# Altium PCB Carte_Mere - Copie.PcbDoc (part 1 of 4) (continued)
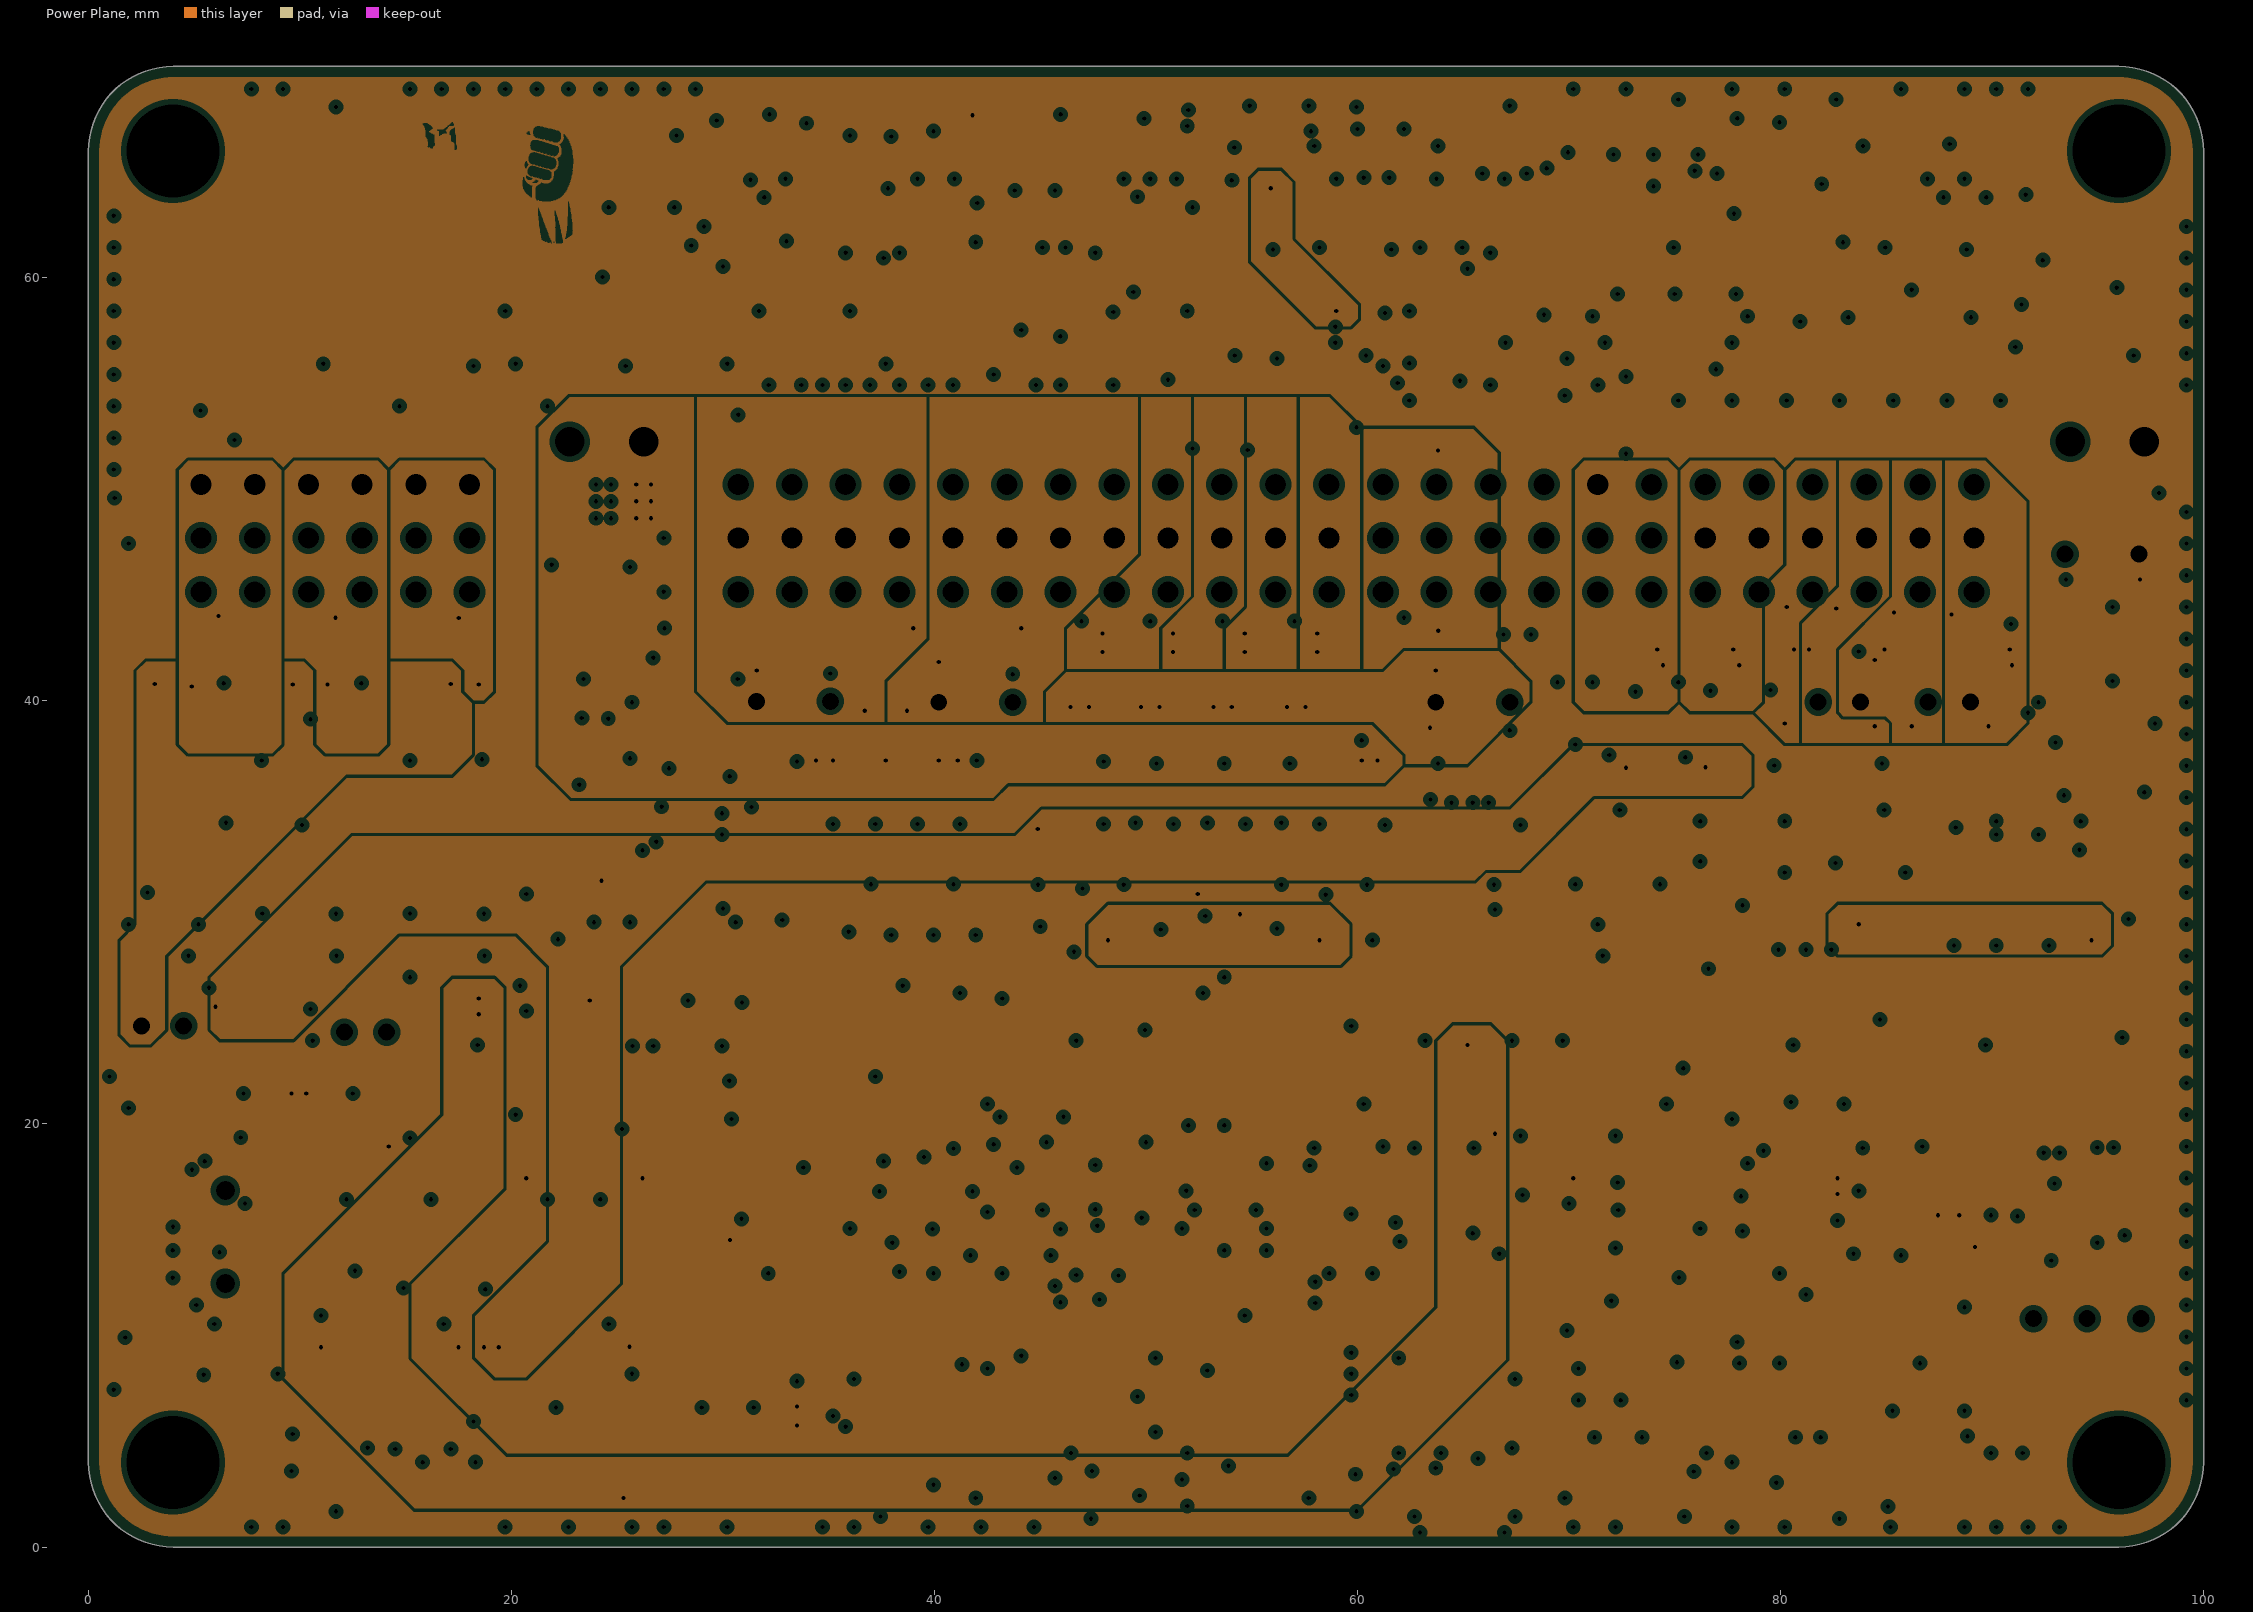
[diagram p3: Power Plane, clearances drawn from the general rule]

## Layer stack, top to bottom
Top Mask: solder mask 0.015, Solder Resist, Dk 3.8
Top Copper: signal copper 0.035
Dielectric 1: prepreg 0.2, 7628, Dk 4.6
Ground Plane: plane copper 0.0175, net GND
Core: core 1.065, FR-4, Dk 4.5
Power Plane: plane copper 0.0175, net (Multiple Nets)
Dielectric 2: prepreg 0.2, 7628, Dk 4.6
Bottom Copper: signal copper 0.035
Bottom Mask: solder mask 0.015, Solder Resist, Dk 3.8

## Board outline
4,0 cw(c4,4) 0,4 0,66 cw(c4,66) 4,70 96,70 cw(c96,66) 100,66 100,4 cw(c96,4) 96,0

## Design rules (kind name [scope] priority, off if disabled: settings)
AssemblyTestPointUsage [All] p1 off:
AssemblyTestpoint [All] p1 off: testpointundercomponent=TRUE minsize=1.016 maxsize=2.54 preferedsize=1.524 minholesize=0 maxholesize=1.016 preferedholesize=0.813 testpointgrid=0.025 usegrid=TRUE gridtolerance=0 allowsidetop=TRUE allowsidebottom=TRUE
BoardOutlineClearance [All] p1: gap=0.2 ignorepadtopadclearanceinfootprint=FALSE
Clearance Clearance_Outer_layer [OnOutside] p1: gap=0.127 ignorepadtopadclearanceinfootprint=FALSE except(0.09: Arc-Arc Arc-Track Track-Track; 0.2: Arc-SMDPad Track-SMDPad; 0.254: Arc-Hole Track-Hole SMDPad-Hole THPad-Hole Via-Hole Fill-Hole Poly-Hole Region-Hole Text-Hole; 0.33: Arc-THPad Track-THPad SMDPad-THPad; 0.54: THPad-THPad)
Clearance Clearance_Inner_layer [not OnOutside] p2: gap=0.127 ignorepadtopadclearanceinfootprint=FALSE except(0.2: Arc-SMDPad Track-SMDPad; 0.254: Arc-Hole Track-Hole SMDPad-Hole THPad-Hole Via-Hole Fill-Hole Poly-Hole Region-Hole Text-Hole; 0.33: Arc-THPad Track-THPad SMDPad-THPad; 0.54: THPad-THPad)
ComponentClearance [IsComponent and (not (InComponent('J202') or InComponent('J204'))) vs IsComponent and (not (InComponent('J201') or InComponent('J203')))] p1: gap=0.2 collisioncheckmode=3 verticalgap=2540 showdistances=FALSE
DiffPairsRouting [All] p1 off: maxlimit=0.254 minlimit=0.254 mostfreqgap=0.254 toplayer_minwidth=0.381 toplayer_maxwidth=0.381 toplayer_prefwidth=0.381 bottomlayer_minwidth=0.381 bottomlayer_maxwidth=0.381 bottomlayer_prefwidth=0.381 maxuncoupledlength=12.7
FabricationTestPointUsage TestPointUsage [All] p1 off: valid=0 allowmultiple=FALSE
FabricationTestpoint Testpoint [All] p1 off: side=3 testpointundercomponent=TRUE minsize=1.016 maxsize=2.54 preferedsize=1.524 minholesize=0 maxholesize=1.016 preferedholesize=0.813 testpointgrid=0.025 allowsidetop=TRUE allowsidebottom=TRUE usegrid=TRUE gridtolerance=0
FanoutControl Fanout_BGA [IsBGA] p1 off: bgadir=Out bgaviamode=Centered fanoutstyle=Auto fanoutdirection=Alternating viagrid=0.025 // Fanout_BGA (Default Rule)
FanoutControl Fanout_LCC [IsLCC] p2 off: bgadir=Out bgaviamode=Centered fanoutstyle=Auto fanoutdirection=Alternating viagrid=0.025 // Fanout_LCC (Default Rule)
FanoutControl Fanout_SOIC [IsSOIC] p3 off: bgadir=Out bgaviamode=Centered fanoutstyle=Auto fanoutdirection=Alternating viagrid=0.025 // Fanout_SOIC (Default Rule)
FanoutControl Fanout_Small [(CompPinCount < 5)] p4 off: bgadir=Out bgaviamode=Centered fanoutstyle=Auto fanoutdirection=OutThenIn viagrid=0.025 // Fanout_Small (Default Rule)
FanoutControl Fanout_Default [All] p5 off: bgadir=Out bgaviamode=Centered fanoutstyle=Auto fanoutdirection=Alternating viagrid=0.025 // Fanout_Default (Default Rule)
HoleSize [All] p1: absolutevalues=TRUE maxlimit=6.3 minlimit=0.2 maxpercent=80.000 minpercent=20.000
HoleToHoleClearance ViaToViaClearance [IsVia vs IsVia] p1: gap=0.254 allowstackedmicrovias=TRUE
HoleToHoleClearance [All] p2: gap=0.54 allowstackedmicrovias=TRUE
MinimumAnnularRing [All] p1: minimumring=0.13
MinimumSolderMaskSliver [All] p1: minsoldermaskwidth=0.075
NetAntennae NetAntenna [All] p1: netantennaetolerance=0
PlaneClearance [All] p1: clearance=0.254
PlaneConnect [All] p1: planeconnectstyle=Direct reliefexpansion=0.3 reliefentries=4 reliefconductorwidth=0.3 reliefairgap=0.2
PolygonConnect [All] p1: thpad.connectstyle=Relief thpad.reliefconductorwidth=0.2 thpad.reliefentries=4 thpad.polygonreliefangle="90 Angle" thpad.airgapwidth=0.254 smdpad.connectstyle=Relief smdpad.reliefconductorwidth=0.2 smdpad.reliefentries=4 smdpad.polygonreliefangle="90 Angle" smdpad.airgapwidth=0.254 via.connectstyle=Direct via.reliefconductorwidth=0.2 via.reliefentries=4 via.polygonreliefangle="90 Angle" via.airgapwidth=0.254
RoutingVias [All] p1: holewidth=0.2 width=0.5 viastyle="Through Hole" minholewidth=0.2 minwidth=0.45 maxholewidth=0.3 maxwidth=0.9
SMDEntry [All] p1: side=TRUE corner=TRUE anyangle=TRUE
SilkToSilkClearance [All] p1 off: silktosilkclearance=0.15
SilkToSolderMaskClearance [IsPad] p1: minsilkscreentomaskgap=0.15 clearancetoexposedcopper=TRUE
SolderMaskExpansion [All] p1: expansion=0.05 istentingtop=FALSE
Width Width_Outer_Layer [OnLayer('Component Side') or OnLayer('Solder Side')] p1: maxlimit=3 minlimit=0.09 preferedwidth=0.15
Width Width_Inner_Layer [All] p2: maxlimit=3 minlimit=0.127 preferedwidth=0.15
11 further rules are at their usual default settings.

## Classes and differential pairs
net class NET_ANALOG: ADC_IN_1 ADC_IN_2 ANALOG_IN0 ANALOG_IN1 ANALOG_IN2 ANALOG_IN3 ANALOG_IN4 ANALOG_IN5 ANALOG_IN6 ANALOG_IN7 MOT1_CS MOT2_CS Servo_Curr_1 Servo_Curr_2 Servo_Curr_3 Servo_Curr_4
net class NET_POWER: 3L 3L_ADC 3L_CAP 3L_FT232 3L_MOT 5L 5L_CAP 5L_DE0 5L_DYNA 5L_ENC_PROP 5L_EXT_1 5L_EXT_2 5L_EXT_3 5L_EXT_4 5L_QEI_MOT 5L_QEI_PROP 5P 5P_SERVO_B 5P_SERVO_C +3V3 +5V CAP_#A CAP_#B CAP_#C E5V GND PWR_Servo_1 PWR_Servo_2 PWR_Servo_3 PWR_Servo_4 U5V VBAT VCC_EXT_1 VCC_EXT_2 VDD VIN VUSB
net class USB: 3L 3L_FT232 3V3_FT232 FT232_Rx FT232_Tx GND GPIO_032_D12 GPIO_033_B12 NetD203_1 NetD203_2 NetD204_1 NetD204_2 NetJ207_4 NetU200_2 NetU200_3 NetU200_6 NetU200_9 NetU200_10 NetU200_11 NetU200_12 NetU200_13 NetU200_14 NetU200_19 NetU200_27 NetU200_28 PC10 PC11 USB_N USB_P VUSB
net class CAPT_TOF: 5L GND GPIO_011_A6 GPIO_013_D6 GPIO_21_B16 GPIO_22_C14 GPIO_23_C16 GPIO_24_C15 I2C1_SCL I2C1_SDA PA15 PB7 ToF_DS_1 ToF_DS_2 ToF_DS_3 ToF_DS_4
net class SERVO: 5P 5P_SERVO_B 5P_SERVO_C GND GPIO_022_F9 GPIO_023_E9 GPIO_024_C9 GPIO_025_D9 GPIO_028_C11 GPIO_029_B11 GPIO_030_A12 GPIO_031_D11 Servo_5 Servo_6 Servo_7 Servo_8 Servo_9 Servo_10 Servo_11 Servo_12
net class SERVO_SENSE: 5P 5P_SERVO_A GND GPIO_018_E7 GPIO_019_D8 GPIO_020_E8 GPIO_021_F8 PWR_Servo_1 PWR_Servo_2 PWR_Servo_3 PWR_Servo_4 Servo_1 Servo_2 Servo_3 Servo_4
net class SERVO_CURR: 5P_SERVO_A ANALOG_IN3 ANALOG_IN5 ANALOG_IN6 ANALOG_IN7 GND PWR_Servo_1 PWR_Servo_2 PWR_Servo_3 PWR_Servo_4 Servo_Curr_1 Servo_Curr_2 Servo_Curr_3 Servo_Curr_4
net class NUCLEO: +3V3 +5V AVDD BOOT0 E5V GND NetJ221_9 NetJ221_25 NetJ221_33 NetJ221_39 NetJ221_40 NetJ222_39 NetJ222_40 NRST PA0 PA1 PA2 PA3 PA4 PA8 PA9 PA10 PA11 PA12 PA13 PA14 PA15 PB0 PB1 PB1_SPARE PB2 PB3 PB4 PB5 PB6 PB7 PB8 PB9 PB10 PB11 PB12 PB13 PB14 PB15 PC0 PC1 PC2 PC3 PC4 PC5 PC6 PC7 PC8 PC9 PC10 PC11 PC12 PC13 PC14 PC15 PD2 PD8 PF0 PF1 PF4 PF5 PF6 PF7 SPI1_MISO SPI1_MOSI SPI1_SCK U5V VBAT VDD VIN
net class MOT_PROP: GND GPIO_118_R16 GPIO_120_P15 GPIO_121_P16 GPIO_122_R14 GPIO_123_N16 PA11 PB6 PB10 PB11 PC7 PROP_DIR1 PROP_DIR2 PROP_EN PROP_S1-Rx PROP_S2-Tx
net class MOT_ACT: 3L_MOT ANALOG_IN0 ANALOG_IN1 GND GPIO_18_T10 GPIO_19_R11 GPIO_110_P11 GPIO_111_R10 MOT1_CS MOT1_DIR MOT1_PWM MOT2_CS MOT2_DIR MOT2_PWM
net class GYRO: 5L GND GPIO_124_N15 GPIO_125_P14 GPIO_126_L14 GPIO_127_N14 PB12 PB13 PB14 PB15 SPI2_CS_1 SPI2_MISO SPI2_MOSI SPI2_SCK
net class GPIO+ADC: 3L_ADC 5L ADC_IN_1 ADC_IN_2 ANALOG_IN2 ANALOG_IN4 EXT_IO_1 EXT_IO_2 EXT_IO_3 EXT_IO_4 EXT_IO_5 EXT_IO_6 EXT_IO_7 EXT_IO_8 EXT_IO_9 EXT_IO_10 GND GPIO_00_D3 GPIO_01_C3 GPIO_02_A2 GPIO_03_A3 GPIO_04_B3 GPIO_05_B4 GPIO_06_A4 GPIO_07_B5 GPIO_08_A5 GPIO_09_D5 PA4 PB0 PC0 PC1 PC2 PF1 VCC_EXT_1 VCC_EXT_2
net class EXT_BUS: 5L FPGA_Rx FPGA_Tx GND GPIO_010_B6 GPIO_012_B7 GPIO_014_A7 GPIO_015_C6 GPIO_016_C8 GPIO_017_E6 GPIO_026_E11 GPIO_027_E10 I2C2_SCL I2C2_SDA PC12 PD2 SPI3_CS_1 SPI3_MISO SPI3_MOSI SPI3_SCK STM_Rx STM_Tx
net class ENC_SSI: 5L 5L_QEI_PROP ENC_M1_CLK1 ENC_M1_CLK2 ENC_M1_DAT1 ENC_M1_DAT2 ENC_M2_CLK1 ENC_M2_CLK2 ENC_M2_DAT1 ENC_M2_DAT2 GND GPIO_0_IN0_A8 GPIO_0_IN1_B8 GPIO_25_D16 GPIO_26_D15 GPIO_27_D14 GPIO_28_F15 GPIO_132_J13 GPIO_133_J14 SSI_M1_CLK1 SSI_M1_CLK2 SSI_M1_DAT1 SSI_M1_DAT2 SSI_M2_CLK1 SSI_M2_CLK2 SSI_M2_DAT1 SSI_M2_DAT2
net class ENC_ODO: 5L 5L_ENC_PROP ENC_P1_A ENC_P1_B ENC_P2_A ENC_P2_B GND GPIO_128_M10 GPIO_129_L13 GPIO_130_J16 GPIO_131_K15 PA8 PA9 PB4 PB5 QEI_P1_A QEI_P1_B QEI_P2_A QEI_P2_B
net class ENC_ACT: 5L 5L_QEI_MOT ENC_M1_A ENC_M1_B ENC_M2_A ENC_M2_B GND GPIO_112_N12 GPIO_113_P9 GPIO_114_N9 GPIO_115_N11 QEI_M1_A QEI_M1_B QEI_M2_A QEI_M2_B
net class DYNAMIXEL: 5L_DYNA DATA_DYNA DYNA_DIR DYNA_RX DYNA_TX GND nDATA_DYNA NetJ240_2 PA10 PC3 PC4
net class DE0: ANALOG_IN0 ANALOG_IN1 ANALOG_IN2 ANALOG_IN3 ANALOG_IN4 ANALOG_IN5 ANALOG_IN6 ANALOG_IN7 GND GPIO_00_D3 GPIO_0_IN0_A8 GPIO_0_IN1_B8 GPIO_01_C3 GPIO_1_IN0_T9 GPIO_1_IN1_R9 GPIO_02_A2 GPIO_2_IN0_E15 GPIO_2_IN1_E16 GPIO_2_IN2_M16 GPIO_03_A3 GPIO_04_B3 GPIO_05_B4 GPIO_06_A4 GPIO_07_B5 GPIO_08_A5 GPIO_09_D5 GPIO_010_B6 GPIO_10_F13 GPIO_011_A6 GPIO_11_T15 GPIO_012_B7 GPIO_12_T14 GPIO_013_D6 GPIO_13_T13 GPIO_014_A7 GPIO_14_R13 GPIO_015_C6 GPIO_15_T12 GPIO_016_C8 GPIO_16_R12 GPIO_017_E6 GPIO_018_E7 GPIO_18_T10 GPIO_019_D8 GPIO_19_R11 GPIO_20_A14 GPIO_020_E8 GPIO_21_B16 GPIO_021_F8 GPIO_22_C14 GPIO_022_F9 GPIO_23_C16 GPIO_023_E9 GPIO_024_C9 GPIO_24_C15 GPIO_025_D9 GPIO_25_D16 GPIO_26_D15 GPIO_026_E11 GPIO_27_D14 GPIO_027_E10 GPIO_028_C11 GPIO_28_F15 GPIO_029_B11 GPIO_29_F16 GPIO_030_A12 GPIO_031_D11 GPIO_032_D12 GPIO_033_B12 GPIO_110_P11 GPIO_111_R10 GPIO_112_N12 GPIO_113_P9 GPIO_114_N9 GPIO_115_N11 GPIO_116_L16 GPIO_117_K16 GPIO_118_R16 GPIO_119_L15 GPIO_120_P15 GPIO_121_P16 GPIO_122_R14 GPIO_123_N16 GPIO_124_N15 GPIO_125_P14 GPIO_126_L14 GPIO_127_N14 GPIO_128_M10 GPIO_129_L13 GPIO_130_J16 GPIO_131_K15 GPIO_132_J13 GPIO_133_J14 GPIO_210_F14 GPIO_211_G16 GPIO_212_G15 IRQ_FPGA VCC_3V3_1 VCC_3V3_2 VCC_3V3_3 VCC_5V_1 VCC_5V_2
net class CLAVIER: AU_STATUS GND GPIO_1_IN0_T9 GPIO_1_IN1_R9 GPIO_10_F13 GPIO_11_T15 LED_CLAVIER NRST NRST_NUCLEO PA12 PC5 PC6 PC8 PC9 SW_1 SW_2 SW_3 SW_TIRETTE
net class CAPT_INT: 3L_CAP CAP_#A CAP_#B CAP_#C CaptTOR_7 CaptTOR_8 CaptTOR_9 CaptTOR_10 CaptTOR_11 CaptTOR_12 GND GPIO_12_T14 GPIO_13_T13 GPIO_14_R13 GPIO_15_T12 GPIO_16_R12 GPIO_211_G16 NetC278_1 NetC281_1 NetC282_1 NetC284_1 NetC287_1 NetC288_1 SigCAPT_7 SigCAPT_8 SigCAPT_9 SigCAPT_10 SigCAPT_11 SigCAPT_12
net class CAPT_EXT: 3L 3L_CAP CaptTOR_1 CaptTOR_2 CaptTOR_3 CaptTOR_4 CaptTOR_5 CaptTOR_6 GND GPIO_2_IN0_E15 GPIO_2_IN1_E16 GPIO_2_IN2_M16 GPIO_20_A14 GPIO_210_F14 GPIO_212_G15 PA0 PA1
net class CAN: 5L CAN_Rx CAN_Tx CANH CANL GND NetC213_1 NetU201_5 PB8 PB9
net class ALIM_OUT: 5L 5L_EXT_1 5L_EXT_2 5L_EXT_3 5L_EXT_4 EXT_IO_1 EXT_IO_2 EXT_IO_3 EXT_IO_4 EXT_IO_5 EXT_IO_6 EXT_IO_7 EXT_IO_8 EXT_IO_9 EXT_IO_10 GND
net class ALIM_IN: 5L 5P GND
net class 3L: 3L 5L GND NetC228_1 NetC229_1
net class 3L_ADC: 3L_ADC 5L GND NetC225_1 NetC226_1
component class TOP: H200 H201 H202 H203
component class SERVO: C251 C252 C253 C254 C255 C256 C257 C258 C259 C260 C261 C262 C263 C264 C265 C266 C267 C268 C269 C270 C271 C272 C273 C274 D205 J238 J239 J240 R250 R252 R253 R254 R255 R256 R257 R258 R259 R260 R261 R262 R263 R264 R265 U204 U205 U206 U207 U208
component class POWER: C224 C225 C226 C227 C228 C229 C230 C231 C232 C233 C234 C235 C236 C237 C238 C239 C240 C241 C242 C243 C244 C245 C246 C247 C248 C249 C250 FB204 FB205 FB206 FB207 FB208 FB209 J225 J226 J227 J228 J229 J230 J231 J232 J233 J234 J235 J236 J237 R248 R249 U202 U203
component class NUCLEO: J219 J220 J221 J222 J223 R292 R293 R294 R295 R296 R301 R302 R303 R304 R305 R306 R318 R319 R320 R321 R322 R335 R336 R337 R338 R339 R340 R341 R342 R353 R354 R355 R356 R357 R358 R359 R372 R373 R374 R375 R376 R400 R401 R402 R403
component class MOTEUR: C214 C215 C216 C217 C218 C219 C220 C221 C222 C223 FB201 FB202 FB203 J211 J212 J213 J214 J215 J216 J217 J218 R211 R216 R217 R218 R219 R220 R221 R222 R223 R224 R225 R226 R227 R228 R229 R230 R231 R232 R233 R234 R235 R236 R237 R238 R239 R240 R241 R242 R243 R244 R245 R246 R247
component class DE0: C200 C201 FB200 J200 J201 J202 J203 J204 J205 R297 R298 R299 R300 R307 R308 R309 R310 R311 R312 R313 R314 R315 R316 R317 R323 R324 R325 R326 R327 R328 R329 R330 R331 R332 R333 R334 R343 R344 R345 R346 R347 R348 R349 R350 R351 R352 R360 R361 R362 R363 R364 R365 R366 R367 R368 R369 R370 R371 R377 R378 R379 R380 R381 R382 R383 R384 R385 R386 R387 R388 R389 R390 R391 R392 R393 R394 R395 R396 R397 R398 R399 R404 R405 R406 R407 R408 R409 R410 R411 R412 R413 R414 R415 R416 R417 R418 R419 R420 R421 R422 R423 R424 R425
component class CAPTEURS: C275 C276 C277 C278 C279 C280 C281 C282 C283 C284 C285 C286 C287 C288 D200 D201 D202 FB210 FB211 J241 J248 Q200 Q201 Q202 Q203 Q204 Q205 R251 R266 R267 R268 R269 R270 R271 R272 R273 R274 R275 R276 R277 R278 R279 R280 R281 R282 R283 R284 R285 R286 R287 R288 R289 R290 R291
component class BUS: C202 C203 C204 C205 C206 C207 C208 C209 C210 C211 C212 C213 D203 D204 J206 J207 J208 J209 J210 J249 J250 J251 J252 J254 J255 R200 R201 R202 R203 R204 R205 R206 R207 R208 R209 R210 U200 U201
differential pair USB: +USB_P -USB_N

## Components (designator, comment, footprint, x,y, rotation, side; value= is the part's Value field where it differs from the comment)
C200 "10uF" "WCAP-CSGP_0805, 2x1.25x1.25" 89.95,17.69 r270 top
C201 "100nF" "WCAP-CSGP_0402, 1x0.5x0.5" 91.7,17.69 r270 top
C202 "10uF" "WCAP-CSGP_0805, 2x1.25x1.25" 3.795,9.259 r180 top
C203 "100nF" "WCAP-CSGP_0402, 1x0.5x0.5" 6.095,9.359 r270 top
C204 "100nF" "WCAP-CSGP_0402, 1x0.5x0.5" 7.195,9.359 r270 top
C205 "1uF" "WCAP-CSGP_0402, 1x0.5x0.5" 69.45,42.32 r270 top
C206 "100nF" "WCAP-CSGP_0402, 1x0.5x0.5" 1.095,17.559 r270 top
C207 "10uF" "WCAP-CSGP_0805, 2x1.25x1.25" 67.95,15.24 r180 top
C208 "100nF" "WCAP-CSGP_0402, 1x0.5x0.5" 67.95,13.865 r180 top
C209 "10uF" "WCAP-CSGP_0805, 2x1.25x1.25" 34.035,12.11 r270 top
C210 "100nF" "WCAP-CSGP_0402, 1x0.5x0.5" 33.635,15.01 r90 top
C211 "10uF" "WCAP-CSGP_0805, 2x1.25x1.25" 72.325,30.69 r180 top
C212 "100nF" "WCAP-CSGP_0402, 1x0.5x0.5" 72.45,28.69 r180 top
C213 "1nF" "WCAP-CSGP_0402, 1x0.5x0.5" 30.335,9.41 r270 top
C214 "10uF" "WCAP-CSGP_0805, 2x1.25x1.25" 84.95,30.69 r0 top
C215 "100nF" "WCAP-CSGP_0402, 1x0.5x0.5" 95.95,28.69 r0 top
C216 "100nF" "WCAP-CSGP_0402, 1x0.5x0.5" 84.2,28.69 r0 top
C217 "10uF" "WCAP-CSGP_0805, 2x1.25x1.25" 24.2,5.64 r90 top
C218 "10uF" "WCAP-CSGP_0805, 2x1.25x1.25" 80.7,15.24 r0 top
C219 "100nF" "WCAP-CSGP_0402, 1x0.5x0.5" 81.95,13.865 r0 top
C220 "100nF" "WCAP-CSGP_0402, 1x0.5x0.5" 79.45,13.865 r0 top
C221 "10uF" "WCAP-CSGP_0805, 2x1.25x1.25" 52.7,28.94 r180 top
C222 "100nF" "WCAP-CSGP_0402, 1x0.5x0.5" 59.45,28.69 r0 top
C223 "100nF" "WCAP-CSGP_0402, 1x0.5x0.5" 49.7,28.69 r0 top
C224 "470 uF" WCAP-ATG8_8x11.5x3.5x0.5 95.2,46.94 r0 top locked
C225 "10uF" "WCAP-CSGP_0805, 2x1.25x1.25" 24.548,12.191 r0 top
C226 "10uF" "WCAP-CSGP_0805, 2x1.25x1.25" 20.648,12.191 r180 top
C227 "100nF" "WCAP-CSGP_0402, 1x0.5x0.5" 20.7,9.44 r0 top
C228 "10uF" "WCAP-CSGP_0805, 2x1.25x1.25" 16.862,12.211 r0 top
C229 "10uF" "WCAP-CSGP_0805, 2x1.25x1.25" 12.9,12.211 r180 top
C230 "100nF" "WCAP-CSGP_0402, 1x0.5x0.5" 12.507,9.461 r0 top
C231 "100nF" "WCAP-CSGP_0402, 1x0.5x0.5" 90.41,52.78 r90 top
C232 "100nF" "WCAP-CSGP_0402, 1x0.5x0.5" 80.29,52.78 r90 top
C233 "100nF" "WCAP-CSGP_0402, 1x0.5x0.5" 87.87,52.78 r90 top
C234 "100nF" "WCAP-CSGP_0402, 1x0.5x0.5" 77.71,52.78 r90 top
C235 "100nF" "WCAP-CSGP_0402, 1x0.5x0.5" 85.33,52.78 r90 top
C236 "100nF" "WCAP-CSGP_0402, 1x0.5x0.5" 75.17,52.78 r90 top
C237 "100nF" "WCAP-CSGP_0402, 1x0.5x0.5" 75.17,42.32 r270 top
C238 "100nF" "WCAP-CSGP_0402, 1x0.5x0.5" 82.79,52.78 r90 top
C239 "100nF" "WCAP-CSGP_0402, 1x0.5x0.5" 70.09,52.78 r90 top
C240 "100nF" "WCAP-CSGP_0402, 1x0.5x0.5" 71.106,42.32 r270 top
C241 "10uF" "WCAP-CSGP_0805, 2x1.25x1.25" 73.138,42.32 r270 top
C242 "10uF" "WCAP-CSGP_0805, 2x1.25x1.25" 76.694,42.366 r270 top
C243 "100 uF" WCAP-ATG8_5x11x2x0.5 82.78,39.95 r0 top locked
C244 "100 uF" WCAP-ATG8_5x11x2x0.5 87.98,39.95 r0 top locked
C245 "100nF" "WCAP-CSGP_0402, 1x0.5x0.5" 87.23,43 r270 top
C246 "1uF" "WCAP-CSGP_0603, 1.6x0.8x0.8" 85.83,42.6 r270 top
C247 "10uF" "WCAP-CSGP_0805, 2x1.25x1.25" 79.53,42.4 r270 top
C248 "10uF" "WCAP-CSGP_0805, 2x1.25x1.25" 82.45,42.39 r270 top
C249 "1uF" "WCAP-CSGP_0603, 1.6x0.8x0.8" 89.93,42.6 r270 top
C250 "100nF" "WCAP-CSGP_0402, 1x0.5x0.5" 88.63,43 r270 top
C251 "10uF" "WCAP-CSGP_0805, 2x1.25x1.25" 57.977,42.755 r0 top
C252 "10uF" "WCAP-CSGP_0805, 2x1.25x1.25" 54.548,42.755 r0 top
C253 "1nF" "WCAP-CSGP_0402, 1x0.5x0.5" 41.95,33.69 r90 top
C254 "1nF" "WCAP-CSGP_0402, 1x0.5x0.5" 37.95,33.69 r90 top
C255 "100nF" "WCAP-CSGP_0402, 1x0.5x0.5" 59.176,34.19 r270 top
C256 "100nF" "WCAP-CSGP_0402, 1x0.5x0.5" 52.2,34.19 r270 top
C257 "10uF" "WCAP-CSGP_0805, 2x1.25x1.25" 51.15,42.755 r0 top
C258 "470 uF" WCAP-ATG8_8x11.5x3.5x0.5 65.45,39.94 r180 top locked
C259 "10uF" "WCAP-CSGP_0805, 2x1.25x1.25" 47.817,42.755 r0 top
C260 "1nF" "WCAP-CSGP_0402, 1x0.5x0.5" 39.95,33.69 r90 top
C261 "1nF" "WCAP-CSGP_0402, 1x0.5x0.5" 35.95,33.69 r90 top
C262 "100nF" "WCAP-CSGP_0402, 1x0.5x0.5" 55.676,34.19 r270 top
C263 "100nF" "WCAP-CSGP_0402, 1x0.5x0.5" 48.95,34.19 r270 top
C264 "4.7uF" "WCAP-CSGP_0603, 1.6x0.8x0.8" 47.23,52.78 r90 top
C265 "470 uF" WCAP-ATG8_8x11.5x3.5x0.5 41.95,39.94 r180 top locked
C266 "4.7uF" "WCAP-CSGP_0603, 1.6x0.8x0.8" 44.69,52.78 r90 top
C267 "100nF" "WCAP-CSGP_0402, 1x0.5x0.5" 93.45,14.39 r270 top
C268 "4.7uF" "WCAP-CSGP_0603, 1.6x0.8x0.8" 42.15,52.78 r90 top
C269 "4.7uF" "WCAP-CSGP_0603, 1.6x0.8x0.8" 39.61,52.78 r90 top
C270 "4.7uF" "WCAP-CSGP_0603, 1.6x0.8x0.8" 37.07,52.78 r90 top
C271 "470 uF" WCAP-ATG8_8x11.5x3.5x0.5 33.326,39.98 r180 top locked
C272 "4.7uF" "WCAP-CSGP_0603, 1.6x0.8x0.8" 34.53,52.78 r90 top
C273 "4.7uF" "WCAP-CSGP_0603, 1.6x0.8x0.8" 31.99,52.78 r90 top
C274 "4.7uF" "WCAP-CSGP_0603, 1.6x0.8x0.8" 29.45,52.78 r90 top
C275 "10 uF" WCAP-ATG8_5x11x2x0.5 3.5,24.64 r180 top locked
C276 "10 uF" WCAP-ATG8_5x11x2x0.5 13.1,24.34 r180 top locked
C277 "1uF" "WCAP-CSGP_0805, 2x1.25x1.25" 7.03,42.7 r180 top
C278 "100nF" "WCAP-CSGP_0603, 1.6x0.8x0.8" 6.48,34.95 r180 top
C279 "1uF" "WCAP-CSGP_0805, 2x1.25x1.25" 20.43,42.7 r180 top
C280 "1uF" "WCAP-CSGP_0805, 2x1.25x1.25" 13.93,42.7 r180 top
C281 "100nF" "WCAP-CSGP_0603, 1.6x0.8x0.8" 20.48,34.93 r180 top
C282 "100nF" "WCAP-CSGP_0603, 1.6x0.8x0.8" 13.48,34.93 r180 top
C283 "1uF" "WCAP-CSGP_0805, 2x1.25x1.25" 3.93,42.7 r0 top
C284 "100nF" "WCAP-CSGP_0603, 1.6x0.8x0.8" 2.98,34.97 r180 top
C285 "1uF" "WCAP-CSGP_0805, 2x1.25x1.25" 17.13,42.7 r0 top
C286 "1uF" "WCAP-CSGP_0805, 2x1.25x1.25" 10.73,42.7 r0 top
C287 "100nF" "WCAP-CSGP_0603, 1.6x0.8x0.8" 16.98,34.93 r180 top
C288 "100nF" "WCAP-CSGP_0603, 1.6x0.8x0.8" 9.98,34.93 r180 top
D200 "824001" SOT-23-6L 24.25,33.69 r180 top value=5V
D201 "824001" SOT-23-6L 26.005,25.84 r90 top value=5V
D202 "824001" SOT-23-6L 8.221,25.475 r90 top value=5V
D203 "150060YS75000" SMCW_0603 0.995,9.959 r90 top value=Jaune
D204 "150060YS75000" SMCW_0603 0.995,19.959 r270 top value=Jaune
D205 "824001" SOT-23-6L 44.5,33.94 r270 top value=5V
FB200 "742792023" "WE-CBF_0805_High Current" 87.95,17.69 r90 top value=120
FB201 "742792023" "WE-CBF_0805_High Current" 84.95,33.69 r180 top value=120
FB202 "742792023" "WE-CBF_0805_High Current" 80.7,17.19 r180 top value=120
FB203 "742792023" "WE-CBF_0805_High Current" 52.45,30.869 r0 top value=120
FB204 "742792023" "WE-CBF_0805_High Current" 24.5,10.54 r180 top value=120
FB205 "742792023" "WE-CBF_0805_High Current" 16.8,10.561 r180 top value=120
FB206 "742792023" "WE-CBF_0805_High Current" 89.83,36.95 r90 top value=120
FB207 "742792023" "WE-CBF_0805_High Current" 86.2,36.94 r90 top value=120
FB208 "742792023" "WE-CBF_0805_High Current" 84.45,36.94 r90 top value=120
FB209 "742792023" "WE-CBF_0805_High Current" 80.93,36.95 r90 top value=120
FB210 "742792023" "WE-CBF_0805_High Current" 7.3,21.94 r180 top value=120
FB211 "742792023" "WE-CBF_0805_High Current" 18.4,24.24 r180 top value=120
H200 "9774100960" 9774100960 96,4 r0 bottom locked value=3.3x10
H201 "9774100960" 9774100960 96,66 r0 bottom locked value=3.3x10
H202 "9774100960" 9774100960 4,4 r0 bottom locked value=3.3x10
H203 "9774100960" 9774100960 4,66 r0 bottom locked value=3.3x10
J200 "610004243021" 610004243021_NO-HOLE 92.95,20.4 r180 bottom locked value=4
J201 "610020243021" 610020243021_NO-HOLE 70.09,13.41 r0 bottom locked value=20
J202 "610020243021" 610020243021_NO-HOLE 70.09,56.59 r180 bottom locked value=20
J203 "610020243021" 610020243021_NO-HOLE 44.69,13.41 r0 bottom locked value=20
J204 "610020243021" 610020243021_NO-HOLE 44.69,56.59 r180 bottom locked value=20
J205 "610026243021" 610026243021_NO-HOLE 25.386,35 r270 bottom locked value=26
J206 "TSW-104-08-F-T-RA" TSW-104-08-F-T-RA 65.01,47.7 r180 top locked